# KiCad board SevenSegment.kicad_pcb (continued)
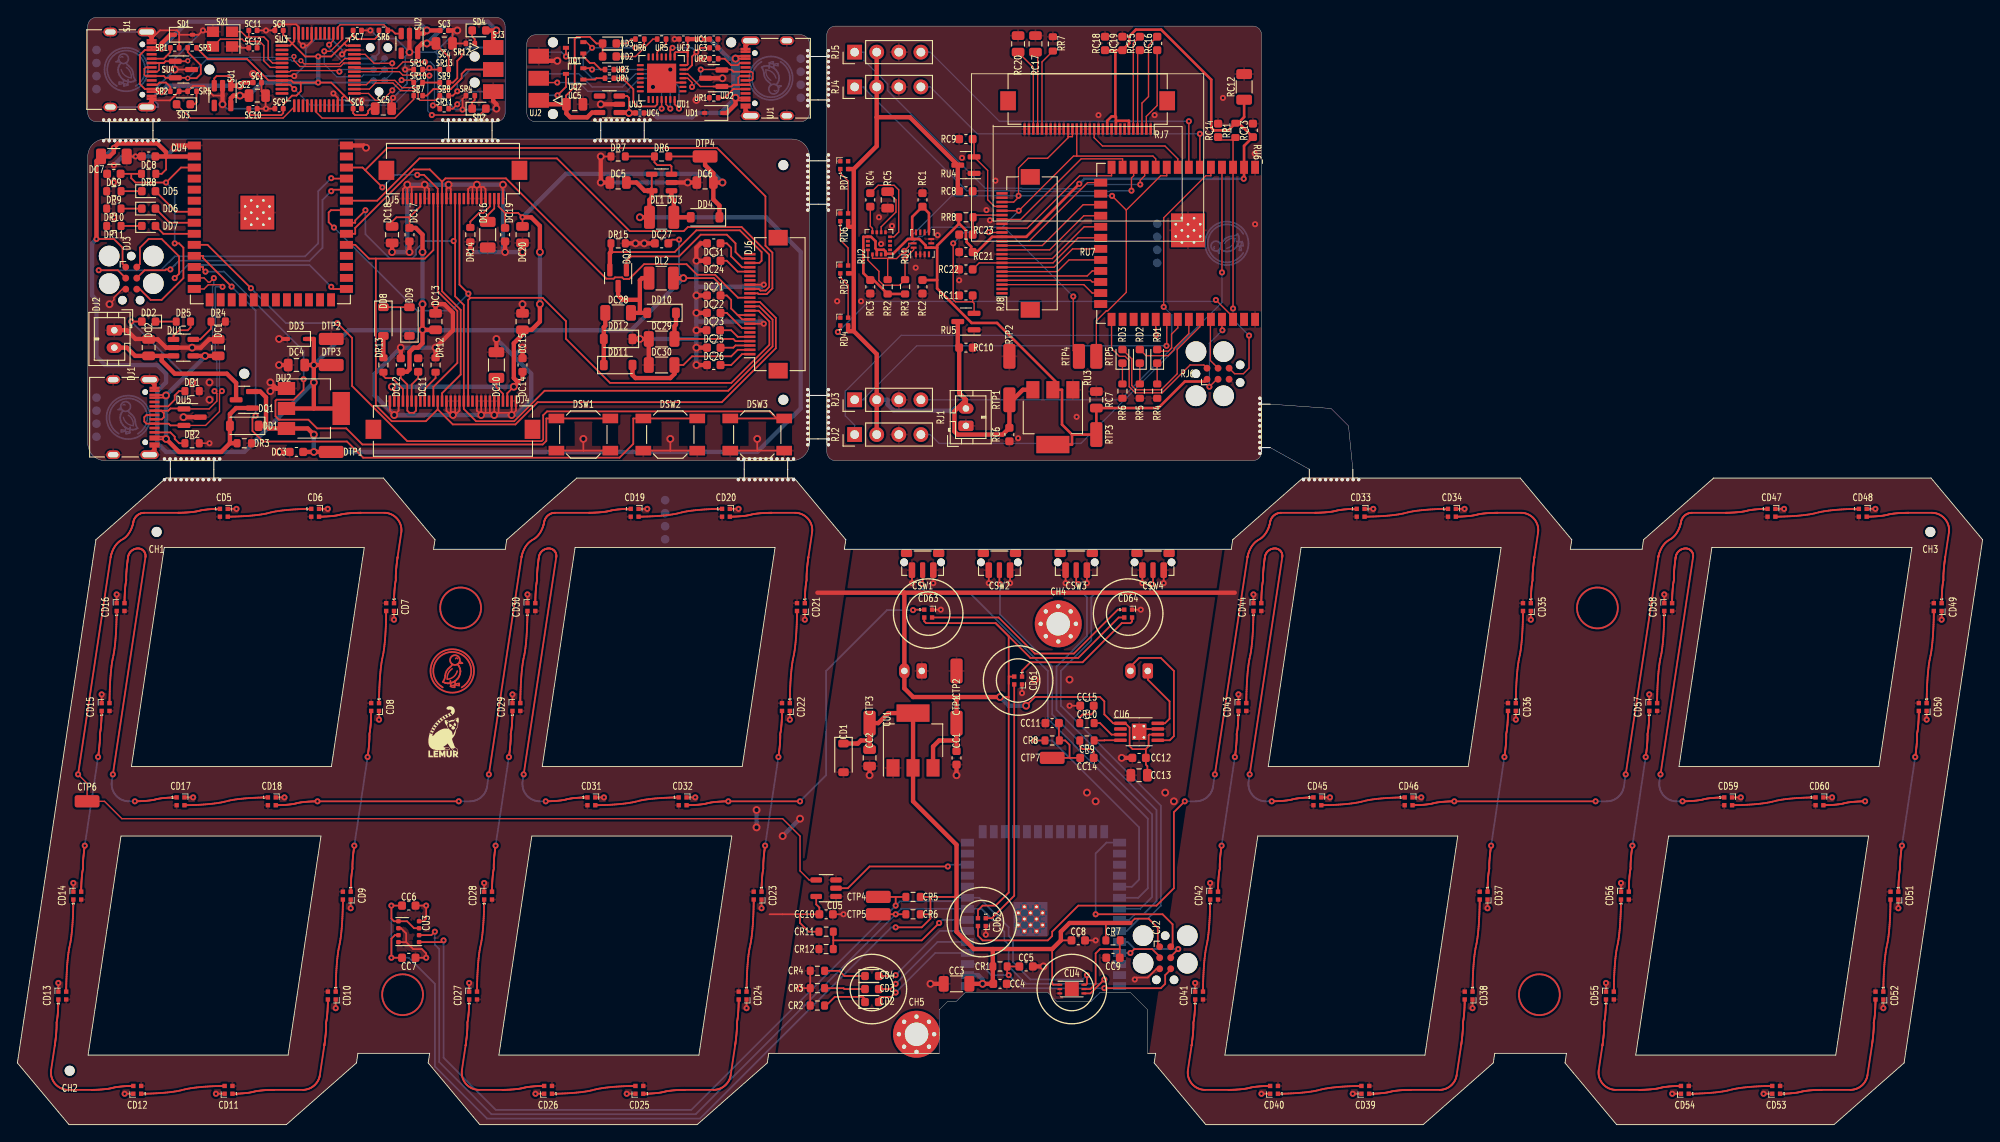
[diagram p0: board, top side]
## Routing (per net, layer and track width the routed paths; a pad name or vN(x,y) marks a point on that pad's centre or on a via; arc(x,y) is an arc through that point) (continued)
center.led[0].dout: length 28.7
  Front w0.2: CD62.1 112.06,23.75 114.65,26.34 CD61.3
charge_led.res.a: length 2.4
  Front w0.2: DR5.1 DD2.1
charge_led.signal: length 3.4
  Front w0.2: DU1.1 17.96,90.76 18.59,91.4 19.59,91.4 19.92,91.73 DR5.2
charger.prog_res.a: length 3.4
  Front w0.2: DR4.1 22.27,91.58 21.05,90.35 DU1.5
compass.c1.pos: length 5.8
  Front w0.15: RC5.1 101.05,106.4 101.05,105 99.34,103.3 RU2.10
compass.set_cap.neg: length 3.1
  Front w0.15: RC4.2 98.09,103.38 98.34,103.13 RU2.12
compass.set_cap.pos: length 9.9
  Front w0.15: RU2.8 100.82,102.15 101.36,102.69 101.36,107.56 100.84,108.08 99,108.08 RC4.1
digit[0].dout: length 67.1
  Front w0.2: 29.84,36.75 29.94,36.75 30.01,36.75 30.08,36.76 30.16,36.76 30.24,36.76 30.33,36.76 30.42,36.77 30.51,36.77 30.61,36.78 30.71,36.78 30.81,36.79 31.02,36.81 31.13,36.82 31.24,36.83 31.34,36.84 31.45,36.85 31.55,36.87 31.65,36.88 31.75,36.9 31.85,36.91 31.94,36.93 32.03,36.95 32.2,37 32.29,37.02 32.38,37.04 32.48,37.05 32.58,37.07 32.68,37.09 32.78,37.1 32.89,37.11 32.99,37.12 33.21,37.14 33.42,37.16 33.52,37.17 33.62,37.17 33.72,37.18 33.81,37.18 33.91,37.19 33.99,37.19 34.07,37.19 34.15,37.19 34.22,37.2 34.34,37.2 34.39,37.2 34.44,37.2 34.47,37.2 v3(34.52,37.2) v3(50.77,37.2) ; 70.42,70.85 70.32,70.85 70.25,70.85 70.18,70.84 70.1,70.84 70.02,70.84 69.94,70.84 69.84,70.83 69.75,70.83 69.65,70.82 69.55,70.82 69.45,70.81 69.24,70.79 69.13,70.78 69.02,70.77 68.92,70.76 68.81,70.75 68.71,70.73 68.61,70.72 68.51,70.7 68.41,70.69 68.32,70.67 68.23,70.65 68.06,70.6 67.97,70.58 67.88,70.56 67.78,70.55 67.68,70.53 67.58,70.52 67.48,70.5 67.37,70.49 67.27,70.48 67.05,70.46 66.84,70.44 66.74,70.43 66.64,70.43 66.54,70.42 66.45,70.42 66.36,70.41 66.27,70.41 66.19,70.41 66.11,70.41 66.04,70.4 65.92,70.4 65.87,70.4 65.82,70.4 65.79,70.4 61.86,70.4 61.79,70.4 61.73,70.39 61.67,70.39 61.61,70.38 61.55,70.36 61.49,70.35 61.43,70.33 61.37,70.31 61.32,70.28 61.26,70.26 61.21,70.23 61.16,70.2 61.11,70.16 61.06,70.12 61.01,70.09 60.97,70.05 60.93,70.01 60.89,69.96 60.85,69.91 60.81,69.87 60.78,69.82 60.75,69.77 60.72,69.71 60.69,69.66 60.66,69.6 60.64,69.54 60.62,69.48 60.61,69.42 60.59,69.36 60.58,69.3 60.57,69.26 60.57,69.23 60.56,69.19 60.55,69.15 60.54,69.1 60.52,69.04 60.5,68.98 60.48,68.91 60.46,68.84 60.44,68.76 60.41,68.69 60.37,68.6 60.34,68.52 60.3,68.43 60.25,68.34 60.21,68.26 60.16,68.17 60.1,68.08 60.04,67.99 59.98,67.9 59.91,67.82 59.83,67.73 59.75,67.65 59.67,67.57 59.58,67.5 59.49,67.43 59.39,67.36 59.17,67.24 59.07,67.17 58.98,67.1 58.89,67.03 58.81,66.95 58.73,66.87 58.65,66.78 58.58,66.7 58.52,66.61 58.46,66.52 58.4,66.43 58.35,66.34 58.3,66.26 58.26,66.17 58.22,66.08 58.19,66 58.15,65.92 58.12,65.84 58.1,65.76 58.08,65.69 58.05,65.62 58.04,65.56 58.02,65.5 58.01,65.45 58,65.41 57.99,65.37 57.99,65.34 57.98,65.3 v3(54.23,40.3)
  Back w0.2: v3(50.77,37.2) 52.04,37.2 52.14,37.2 52.24,37.21 52.33,37.22 52.43,37.24 52.52,37.26 52.61,37.28 52.7,37.31 52.79,37.35 52.88,37.38 52.96,37.42 53.05,37.47 53.12,37.52 53.2,37.57 53.28,37.62 53.35,37.69 53.42,37.75 53.48,37.81 53.55,37.88 53.61,37.95 53.66,38.03 53.72,38.1 53.77,38.18 53.81,38.27 53.85,38.35 53.89,38.44 53.93,38.53 53.96,38.62 53.98,38.71 54,38.81 54.02,38.9 v3(54.23,40.3)
digit[0].led[0].dout: length 9.5
  Front w0.2: 24.28,69.95 24.35,69.95 24.44,69.95 24.54,69.95 24.65,69.96 24.78,69.96 24.92,69.96 25.08,69.97 25.24,69.97 25.41,69.98 25.6,69.99 25.79,70 25.98,70.01 26.19,70.02 26.39,70.03 26.6,70.05 26.81,70.06 27.03,70.08 27.24,70.1 27.45,70.13 27.66,70.15 27.87,70.18 28.07,70.21 28.27,70.24 28.46,70.28 28.65,70.32 28.83,70.36 29.16,70.44 29.34,70.48 29.53,70.52 29.72,70.56 29.92,70.59 30.12,70.62 30.33,70.65 30.54,70.67 30.75,70.7 30.97,70.72 31.18,70.74 31.39,70.75 31.6,70.77 31.8,70.78 32.01,70.79 32.2,70.8 32.39,70.81 32.58,70.82 32.75,70.83 32.91,70.83 33.07,70.84 33.21,70.84 33.34,70.84 33.45,70.85 33.55,70.85 33.64,70.85 33.7,70.85
digit[0].led[1].dout: length 18.9
  Front w0.2: 34.82,69.95 34.92,69.95 34.99,69.95 35.06,69.96 35.14,69.96 35.22,69.96 35.3,69.96 35.4,69.97 35.49,69.97 35.59,69.98 35.69,69.98 35.79,69.99 36,70.01 36.11,70.02 36.22,70.03 36.32,70.04 36.43,70.05 36.53,70.07 36.63,70.08 36.73,70.1 36.83,70.11 36.92,70.13 37.01,70.15 37.18,70.2 37.27,70.22 37.36,70.24 37.46,70.25 37.56,70.27 37.66,70.29 37.76,70.3 37.87,70.31 37.97,70.32 38.19,70.34 38.4,70.36 38.5,70.37 38.6,70.37 38.7,70.38 38.79,70.38 38.89,70.39 38.97,70.39 39.05,70.39 39.13,70.39 39.2,70.4 39.32,70.4 39.37,70.4 39.42,70.4 39.45,70.4 42.17,70.4 42.29,70.4 42.41,70.39 42.53,70.37 42.64,70.34 42.76,70.31 42.86,70.28 42.97,70.23 43.07,70.19 43.17,70.13 43.27,70.07 43.36,70.01 43.45,69.94 43.53,69.87 43.61,69.79 43.69,69.71 43.76,69.62 43.82,69.53 43.89,69.43 43.94,69.34 43.99,69.24 44.03,69.13 44.07,69.03 44.11,68.92 44.13,68.81 44.15,68.69 44.16,68.58 44.17,68.46 44.17,68.34 44.16,68.22 44.15,68.1 43.73,65.3 43.72,65.25 43.72,65.21 43.71,65.17 43.7,65.11 43.69,65.05 43.69,64.98 43.67,64.9 43.66,64.82 43.65,64.73 43.64,64.63 43.63,64.53 43.62,64.43 43.61,64.32 43.59,64.21 43.58,64.09 43.57,63.98 43.56,63.86 43.55,63.63 43.54,63.51 43.53,63.39 43.53,63.28 43.52,63.17 43.52,63.06 43.52,62.95 43.52,62.84 43.52,62.75 43.52,62.65 43.5,62.56 43.48,62.46 43.47,62.36 43.45,62.25 43.44,62.14 43.42,62.03 43.41,61.91 43.4,61.8 43.39,61.68 43.37,61.45 43.36,61.33 43.36,61.21 43.34,60.99 43.34,60.88 43.33,60.77 43.33,60.67 43.33,60.58 43.33,60.49 43.32,60.4 43.32,60.32 43.32,60.19 43.32,60.13
digit[0].led[2].dout: length 10.4
  Front w0.2: 41.59,48.6 41.59,48.67 41.59,48.77 41.6,48.88 41.6,49 41.6,49.15 41.6,49.3 41.61,49.47 41.61,49.66 41.62,49.85 41.63,50.05 41.63,50.26 41.64,50.47 41.66,50.7 41.67,50.93 41.68,51.16 41.7,51.39 41.72,51.62 41.73,51.86 41.75,52.09 41.78,52.33 41.8,52.56 41.83,52.78 41.86,53 41.89,53.21 41.93,53.42 41.97,53.61 42.05,53.99 42.08,54.18 42.12,54.39 42.15,54.6 42.18,54.82 42.21,55.04 42.23,55.27 42.25,55.5 42.28,55.74 42.3,55.97 42.31,56.21 42.33,56.44 42.34,56.68 42.36,56.9 42.37,57.13 42.38,57.34 42.38,57.55 42.39,57.75 42.4,57.94 42.4,58.13 42.41,58.3 42.41,58.45 42.41,58.59 42.41,58.72 42.42,58.83 42.42,58.93 42.42,59
digit[0].led[3].dout: length 20.7
  Front w0.2: 40.69,47.47 40.69,47.35 40.69,47.28 40.69,47.2 40.69,47.11 40.68,47.02 40.68,46.93 40.68,46.83 40.67,46.72 40.67,46.61 40.66,46.39 40.65,46.27 40.64,46.16 40.62,45.92 40.61,45.8 40.6,45.69 40.59,45.57 40.57,45.46 40.56,45.35 40.54,45.24 40.53,45.14 40.51,45.04 40.49,44.95 40.49,44.86 40.49,44.76 40.49,44.65 40.49,44.55 40.49,44.43 40.48,44.32 40.48,44.21 40.47,44.09 40.47,43.97 40.45,43.74 40.44,43.62 40.43,43.5 40.41,43.39 40.4,43.28 40.39,43.17 40.38,43.07 40.37,42.97 40.36,42.87 40.34,42.78 40.33,42.7 40.33,42.62 40.31,42.55 40.31,42.49 40.3,42.43 40.29,42.39 40.29,42.35 v3(40.28,42.3) ; 38.34,26.93 38.34,27.05 38.34,27.12 38.34,27.2 38.34,27.29 38.35,27.38 38.35,27.47 38.35,27.57 38.36,27.68 38.36,27.79 38.38,28.01 38.38,28.13 38.39,28.25 38.41,28.48 38.42,28.6 38.43,28.71 38.44,28.83 38.46,28.94 38.47,29.05 38.49,29.16 38.5,29.26 38.52,29.36 38.54,29.45 38.54,29.55 38.54,29.64 38.54,29.75 38.54,29.86 38.54,29.97 38.55,30.08 38.55,30.19 38.56,30.31 38.56,30.43 38.58,30.66 38.59,30.78 38.6,30.9 38.61,31.01 38.63,31.12 38.64,31.23 38.65,31.33 38.66,31.43 38.67,31.53 38.69,31.62 38.69,31.7 38.7,31.78 38.72,31.85 38.72,31.91 38.73,31.97 38.74,32.01 38.74,32.05 38.75,32.08 v3(38.75,32.1)
  Back w0.2: v3(40.28,42.3) v3(38.75,32.1)
digit[0].led[4].dout: length 10.4
  Front w0.2: 37.44,25.8 37.44,25.73 37.44,25.63 37.43,25.52 37.43,25.4 37.43,25.25 37.43,25.1 37.42,24.93 37.42,24.75 37.41,24.55 37.4,24.35 37.4,24.14 37.39,23.93 37.38,23.7 37.36,23.47 37.35,23.24 37.33,23.01 37.31,22.78 37.3,22.54 37.28,22.31 37.25,22.07 37.23,21.84 37.2,21.62 37.17,21.4 37.14,21.19 37.1,20.98 37.06,20.79 36.98,20.41 36.95,20.22 36.91,20.01 36.88,19.8 36.85,19.58 36.82,19.36 36.8,19.13 36.78,18.9 36.75,18.66 36.73,18.43 36.72,18.19 36.7,17.96 36.69,17.72 36.67,17.5 36.66,17.27 36.65,17.06 36.65,16.85 36.64,16.65 36.63,16.46 36.63,16.27 36.62,16.1 36.62,15.95 36.62,15.81 36.62,15.68 36.61,15.57 36.61,15.47 36.61,15.4
digit[0].led[5].dout: length 19.5
  Front w0.2: 35.71,14.27 35.71,14.15 35.71,14.08 35.71,14 35.7,13.91 35.7,13.82 35.7,13.73 35.7,13.63 35.69,13.52 35.69,13.41 35.67,13.19 35.67,13.07 35.66,12.96 35.64,12.72 35.63,12.6 35.62,12.49 35.61,12.37 35.59,12.26 35.58,12.15 35.56,12.04 35.55,11.94 35.53,11.84 35.51,11.75 35.51,11.66 35.51,11.56 35.51,11.45 35.51,11.34 35.51,11.23 35.5,11.12 35.5,11.01 35.49,10.89 35.48,10.77 35.47,10.54 35.46,10.42 35.45,10.31 35.44,10.19 35.42,10.08 35.41,9.97 35.4,9.87 35.39,9.77 35.38,9.67 35.36,9.58 35.36,9.5 35.34,9.42 35.33,9.35 35.33,9.29 35.32,9.23 35.31,9.19 35.31,9.15 35.3,9.12 35.3,9.1 34.79,5.7 34.77,5.61 34.75,5.51 34.73,5.42 34.7,5.33 34.66,5.24 34.62,5.15 34.58,5.07 34.53,4.98 34.49,4.9 34.43,4.83 34.38,4.75 34.32,4.68 34.25,4.61 34.19,4.55 34.12,4.49 34.05,4.43 33.97,4.37 33.89,4.32 33.81,4.27 33.73,4.22 33.65,4.18 33.56,4.15 33.47,4.11 33.38,4.08 33.29,4.06 33.2,4.04 33.11,4.02 33.01,4.01 32.91,4 32.81,4 29.49,4 29.46,4 29.41,4 29.31,4 29.24,4 29.17,3.99 29.09,3.99 29.01,3.99 28.92,3.99 28.83,3.98 28.74,3.98 28.64,3.97 28.54,3.97 28.44,3.96 28.23,3.94 28.12,3.93 28.01,3.92 27.91,3.91 27.8,3.9 27.7,3.89 27.6,3.87 27.5,3.85 27.4,3.84 27.31,3.82 27.22,3.8 27.05,3.75 26.96,3.73 26.87,3.71 26.77,3.7 26.67,3.68 26.57,3.66 26.47,3.65 26.36,3.64 26.26,3.63 26.15,3.62 26.04,3.61 25.83,3.59 25.73,3.58 25.63,3.58 25.53,3.57 25.44,3.57 25.34,3.56 25.26,3.56 25.18,3.56 25.1,3.56 25.03,3.55 24.91,3.55 24.86,3.55
digit[0].led[6].dout: length 9.5
  Front w0.2: 23.75,4.45 23.68,4.45 23.59,4.45 23.49,4.45 23.38,4.44 23.25,4.44 23.11,4.44 22.95,4.43 22.79,4.43 22.61,4.42 22.43,4.41 22.24,4.4 22.05,4.39 21.84,4.38 21.64,4.37 21.43,4.35 21.22,4.34 21,4.32 20.79,4.3 20.58,4.27 20.37,4.25 20.16,4.22 19.96,4.19 19.76,4.16 19.57,4.12 19.38,4.08 19.2,4.04 18.87,3.96 18.69,3.92 18.5,3.88 18.31,3.84 18.11,3.81 17.91,3.78 17.7,3.75 17.49,3.73 17.28,3.7 17.06,3.68 16.85,3.66 16.64,3.65 16.43,3.63 16.22,3.62 16.02,3.61 15.83,3.6 15.64,3.59 15.45,3.58 15.28,3.57 15.12,3.57 14.96,3.56 14.82,3.56 14.69,3.56 14.58,3.55 14.48,3.55 14.39,3.55 14.33,3.55
digit[0].led[7].dout: length 18.9
  Front w0.2: 13.21,4.45 13.11,4.45 13.04,4.45 12.97,4.44 12.89,4.44 12.81,4.44 12.72,4.44 12.63,4.43 12.54,4.43 12.44,4.42 12.34,4.42 12.24,4.41 12.03,4.39 11.92,4.38 11.81,4.37 11.71,4.36 11.6,4.35 11.5,4.34 11.4,4.32 11.3,4.3 11.2,4.29 11.11,4.27 11.02,4.25 10.85,4.2 10.76,4.18 10.67,4.16 10.57,4.15 10.47,4.13 10.37,4.12 10.27,4.1 10.16,4.09 10.06,4.08 9.84,4.06 9.63,4.04 9.53,4.03 9.43,4.03 9.33,4.02 9.24,4.02 9.14,4.01 9.06,4.01 8.98,4.01 8.9,4.01 8.83,4 8.71,4 8.66,4 8.61,4 8.58,4 5.86,4 5.74,4 5.62,4.01 5.5,4.03 5.39,4.06 5.27,4.09 5.16,4.12 5.06,4.16 4.96,4.21 4.86,4.27 4.76,4.33 4.67,4.39 4.58,4.46 4.5,4.53 4.42,4.61 4.34,4.69 4.27,4.78 4.21,4.87 4.15,4.97 4.09,5.06 4.04,5.16 4,5.27 3.96,5.37 3.93,5.48 3.9,5.59 3.88,5.71 3.87,5.82 3.86,5.94 3.86,6.06 3.87,6.18 3.88,6.3 4.3,9.1 4.31,9.15 4.31,9.19 4.32,9.23 4.33,9.29 4.34,9.35 4.34,9.42 4.35,9.5 4.37,9.58 4.38,9.67 4.39,9.77 4.4,9.87 4.41,9.97 4.42,10.08 4.44,10.19 4.45,10.31 4.46,10.42 4.47,10.54 4.48,10.77 4.49,10.89 4.5,11.01 4.5,11.12 4.51,11.23 4.51,11.34 4.51,11.45 4.51,11.56 4.51,11.66 4.51,11.75 4.53,11.84 4.54,11.94 4.56,12.04 4.58,12.15 4.59,12.26 4.61,12.37 4.62,12.49 4.63,12.6 4.64,12.72 4.66,12.96 4.67,13.07 4.68,13.19 4.69,13.41 4.69,13.52 4.7,13.63 4.7,13.73 4.7,13.82 4.71,13.91 4.71,14 4.71,14.08 4.71,14.21 4.71,14.27
digit[0].led[8].dout: length 10.4
  Front w0.2: 5.61,15.4 5.61,15.47 5.61,15.57 5.62,15.68 5.62,15.81 5.62,15.95 5.62,16.1 5.63,16.27 5.63,16.46 5.64,16.65 5.65,16.85 5.65,17.06 5.66,17.27 5.68,17.5 5.69,17.72 5.7,17.96 5.72,18.19 5.73,18.43 5.75,18.66 5.78,18.9 5.8,19.13 5.82,19.36 5.85,19.58 5.88,19.8 5.91,20.01 5.95,20.22 5.98,20.41 6.06,20.79 6.1,20.98 6.14,21.19 6.17,21.4 6.2,21.62 6.23,21.84 6.25,22.07 6.28,22.31 6.3,22.54 6.31,22.78 6.33,23.01 6.35,23.24 6.36,23.47 6.38,23.7 6.39,23.93 6.4,24.14 6.4,24.35 6.41,24.55 6.42,24.75 6.42,24.93 6.43,25.1 6.43,25.25 6.43,25.4 6.43,25.52 6.44,25.63 6.44,25.73 6.44,25.8
digit[0].led[9].dout: length 20.7
  Front w0.2: 9.69,47.47 9.69,47.35 9.69,47.28 9.69,47.2 9.69,47.11 9.68,47.02 9.68,46.93 9.68,46.83 9.67,46.72 9.67,46.61 9.66,46.39 9.65,46.27 9.64,46.16 9.62,45.92 9.61,45.8 9.6,45.69 9.59,45.57 9.57,45.46 9.56,45.35 9.54,45.24 9.53,45.14 9.51,45.04 9.49,44.95 9.49,44.86 9.49,44.76 9.49,44.65 9.49,44.55 9.49,44.43 9.48,44.32 9.48,44.21 9.47,44.09 9.47,43.97 9.45,43.74 9.44,43.62 9.43,43.5 9.41,43.39 9.4,43.28 9.39,43.17 9.38,43.07 9.37,42.97 9.36,42.87 9.34,42.78 9.33,42.7 9.33,42.62 9.31,42.55 9.31,42.49 9.3,42.43 9.29,42.39 9.29,42.35 v3(9.28,42.3) ; 7.34,26.93 7.34,27.05 7.34,27.12 7.34,27.2 7.34,27.29 7.35,27.38 7.35,27.47 7.35,27.57 7.36,27.68 7.36,27.79 7.38,28.01 7.38,28.13 7.39,28.25 7.41,28.48 7.42,28.6 7.43,28.71 7.44,28.83 7.46,28.94 7.47,29.05 7.49,29.16 7.5,29.26 7.52,29.36 7.54,29.45 7.54,29.55 7.54,29.64 7.54,29.75 7.54,29.86 7.54,29.97 7.54,30.08 7.55,30.19 7.56,30.31 7.56,30.43 7.58,30.66 7.59,30.78 7.6,30.9 7.62,31.01 7.63,31.12 7.64,31.23 7.65,31.33 7.66,31.43 7.67,31.53 7.69,31.62 7.69,31.7 7.71,31.78 7.72,31.85 7.72,31.91 7.73,31.97 7.74,32.01 7.74,32.05 v3(7.75,32.1)
  Back w0.2: v3(7.75,32.1) v3(9.28,42.3)
digit[0].led[10].dout: length 10.4
  Front w0.2: 11.42,59 11.42,58.93 11.42,58.83 11.41,58.72 11.41,58.59 11.41,58.45 11.41,58.3 11.4,58.13 11.4,57.94 11.39,57.75 11.38,57.55 11.38,57.34 11.37,57.13 11.36,56.9 11.34,56.68 11.33,56.44 11.31,56.21 11.3,55.97 11.28,55.74 11.25,55.5 11.23,55.27 11.21,55.04 11.18,54.82 11.15,54.6 11.12,54.39 11.08,54.18 11.05,53.99 10.97,53.61 10.93,53.42 10.89,53.21 10.86,53 10.83,52.78 10.8,52.56 10.78,52.33 10.75,52.09 10.73,51.86 10.72,51.62 10.7,51.39 10.68,51.16 10.67,50.93 10.66,50.7 10.64,50.47 10.63,50.26 10.63,50.05 10.62,49.85 10.61,49.66 10.61,49.47 10.6,49.3 10.6,49.15 10.6,49 10.6,48.88 10.59,48.77 10.59,48.67 10.59,48.6
digit[0].led[11].dout: length 43.3
  Front w0.2: v3(13.52,37.2) 13.56,37.2 13.59,37.2 13.64,37.2 13.74,37.2 13.81,37.2 13.88,37.21 13.96,37.21 14.04,37.21 14.12,37.21 14.22,37.22 14.31,37.22 14.41,37.23 14.51,37.23 14.61,37.24 14.82,37.26 15.04,37.28 15.14,37.29 15.25,37.3 15.35,37.31 15.45,37.33 15.55,37.35 15.65,37.36 15.74,37.38 15.83,37.4 16,37.45 16.09,37.47 16.18,37.49 16.28,37.5 16.38,37.52 16.48,37.53 16.58,37.55 16.69,37.56 16.79,37.57 16.9,37.58 17.01,37.59 17.22,37.61 17.32,37.62 17.42,37.62 17.52,37.63 17.61,37.63 17.7,37.64 17.79,37.64 17.87,37.64 17.95,37.64 18.02,37.65 18.14,37.65 18.19,37.65 ; v3(10.98,40.3) 14.73,65.3 14.73,65.31 14.74,65.36 14.74,65.41 14.74,65.47 14.74,65.52 14.73,65.57 14.72,65.61 14.71,65.66 14.7,65.71 14.68,65.75 14.66,65.8 14.64,65.84 14.62,65.88 14.59,65.93 14.56,65.96 14.53,66 14.5,66.04 14.47,66.07 14.43,66.1 14.39,66.13 14.35,66.16 14.31,66.19 14.27,66.21 14.22,66.23 14.18,66.25 14.13,66.26 14.08,66.28 14.03,66.29 13.98,66.29 13.93,66.3 13.88,66.3 13.82,66.3 13.77,66.29 13.71,66.29 13.66,66.28 13.6,66.27 13.55,66.25 13.5,66.23 13.44,66.22 13.39,66.19 13.35,66.17 13.3,66.14 13.25,66.12 13.21,66.09 13.16,66.05 13.12,66.02 13.08,65.98 13.04,65.95 13.01,65.91 12.97,65.86 12.94,65.82 12.91,65.78 12.88,65.73 12.85,65.68 12.83,65.63 12.81,65.58 12.79,65.53 12.77,65.48 12.75,65.42 12.74,65.37 12.73,65.29 12.73,65.28 12.72,65.25 12.72,65.21 12.71,65.17 12.7,65.11 12.69,65.05 12.69,64.98 12.67,64.9 12.66,64.82 12.65,64.73 12.64,64.63 12.63,64.53 12.62,64.43 12.61,64.32 12.59,64.21 12.58,64.09 12.57,63.98 12.56,63.86 12.55,63.63 12.54,63.51 12.53,63.39 12.53,63.28 12.52,63.17 12.52,63.06 12.52,62.95 12.52,62.84 12.52,62.75 12.52,62.65 12.5,62.56 12.48,62.46 12.47,62.36 12.45,62.25 12.44,62.14 12.42,62.03 12.41,61.91 12.4,61.8 12.39,61.68 12.37,61.45 12.36,61.33 12.36,61.21 12.34,60.99 12.34,60.88 12.33,60.77 12.33,60.67 12.33,60.58 12.33,60.49 12.32,60.4 12.32,60.32 12.32,60.19 12.32,60.13
  Back w0.2: v3(10.98,40.3) 10.86,39.5 10.84,39.38 10.84,39.26 10.84,39.14 10.84,39.02 10.86,38.91 10.88,38.79 10.91,38.68 10.94,38.57 10.98,38.47 11.02,38.36 11.07,38.26 11.12,38.17 11.19,38.07 11.25,37.98 11.32,37.9 11.4,37.81 11.48,37.73 11.56,37.66 11.65,37.59 11.74,37.53 11.84,37.47 11.94,37.41 12.04,37.37 12.14,37.32 12.25,37.29 12.37,37.26 12.48,37.23 12.6,37.21 12.72,37.2 12.84,37.2 v3(13.52,37.2)
digit[0].led[12].dout: length 9.5
  Front w0.2: 28.72,37.65 28.66,37.65 28.57,37.65 28.47,37.65 28.36,37.64 28.23,37.64 28.09,37.64 27.93,37.63 27.77,37.63 27.59,37.62 27.41,37.61 27.22,37.6 27.03,37.59 26.83,37.58 26.62,37.57 26.41,37.55 26.2,37.54 25.98,37.52 25.77,37.5 25.56,37.47 25.35,37.45 25.14,37.42 24.94,37.39 24.74,37.36 24.55,37.32 24.36,37.28 24.18,37.24 23.85,37.16 23.67,37.12 23.48,37.08 23.29,37.04 23.09,37.01 22.89,36.98 22.68,36.95 22.47,36.93 22.26,36.9 22.05,36.88 21.83,36.86 21.62,36.85 21.41,36.83 21.2,36.82 21,36.81 20.81,36.8 20.62,36.79 20.44,36.78 20.26,36.77 20.1,36.77 19.94,36.76 19.8,36.76 19.67,36.76 19.56,36.75 19.46,36.75 19.37,36.75 19.3,36.75
digit[1].dout: length 43.4
  Front w0.2: 77.09,36.75 77.19,36.75 77.26,36.75 77.33,36.76 77.41,36.76 77.49,36.76 77.57,36.76 77.67,36.77 77.76,36.77 77.86,36.78 77.96,36.78 78.06,36.79 78.27,36.81 78.38,36.82 78.49,36.83 78.59,36.84 78.7,36.85 78.8,36.87 78.9,36.88 79,36.9 79.1,36.91 79.19,36.93 79.28,36.95 79.45,37 79.54,37.02 79.63,37.04 79.73,37.05 79.83,37.07 79.93,37.09 80.03,37.1 80.14,37.11 80.24,37.12 80.35,37.13 80.46,37.14 80.67,37.16 80.77,37.17 80.87,37.17 80.97,37.18 81.06,37.18 81.16,37.19 81.24,37.19 81.32,37.19 81.4,37.19 81.47,37.2 81.59,37.2 81.64,37.2 81.69,37.2 81.72,37.2 v3(81.77,37.2) v3(90.02,37.2) ; v3(103.02,59.2) 103.06,59.25 CD63.1
  Back w0.2: v3(103.02,59.2) 100.02,59.2 93.02,52.2 93.02,40.2 v3(90.02,37.2)
digit[1].led[0].dout: length 9.5
  Front w0.2: 71.53,69.95 71.6,69.95 71.69,69.95 71.79,69.95 71.9,69.96 72.03,69.96 72.17,69.96 72.33,69.97 72.49,69.97 72.66,69.98 72.85,69.99 73.04,70 73.23,70.01 73.44,70.02 73.64,70.03 73.85,70.05 74.06,70.06 74.28,70.08 74.49,70.1 74.7,70.13 74.91,70.15 75.12,70.18 75.32,70.21 75.52,70.24 75.71,70.28 75.9,70.32 76.08,70.36 76.41,70.44 76.59,70.48 76.78,70.52 76.97,70.56 77.17,70.59 77.37,70.62 77.58,70.65 77.79,70.67 78,70.7 78.22,70.72 78.43,70.74 78.64,70.75 78.85,70.77 79.06,70.78 79.26,70.79 79.45,70.8 79.64,70.81 79.82,70.82 80,70.83 80.16,70.83 80.32,70.84 80.46,70.84 80.59,70.84 80.7,70.85 80.8,70.85 80.89,70.85 80.95,70.85
digit[1].led[1].dout: length 18.9
  Front w0.2: 90.57,60.13 90.57,60.25 90.57,60.32 90.57,60.4 90.57,60.49 90.58,60.58 90.58,60.67 90.58,60.77 90.59,60.88 90.59,60.99 90.6,61.21 90.61,61.33 90.62,61.45 90.64,61.68 90.65,61.8 90.66,61.91 90.67,62.03 90.69,62.14 90.7,62.25 90.72,62.36 90.73,62.46 90.75,62.56 90.77,62.65 90.77,62.75 90.77,62.84 90.77,62.95 90.77,63.06 90.77,63.17 90.78,63.28 90.78,63.39 90.79,63.51 90.8,63.63 90.81,63.86 90.82,63.98 90.83,64.09 90.84,64.21 90.86,64.32 90.87,64.43 90.88,64.53 90.89,64.63 90.9,64.73 90.91,64.82 90.92,64.9 90.94,64.98 90.94,65.05 90.95,65.11 90.96,65.17 90.97,65.21 90.97,65.25 90.98,65.3 91.4,68.1 91.41,68.22 91.42,68.34 91.42,68.46 91.41,68.58 91.4,68.69 91.38,68.81 91.35,68.92 91.32,69.03 91.28,69.13 91.24,69.24 91.19,69.34 91.13,69.43 91.07,69.53 91.01,69.62 90.94,69.71 90.86,69.79 90.78,69.87 90.7,69.94 90.61,70.01 90.52,70.07 90.42,70.13 90.32,70.19 90.22,70.23 90.12,70.28 90.01,70.31 89.89,70.34 89.78,70.37 89.66,70.39 89.54,70.4 89.42,70.4 86.7,70.4 86.67,70.4 86.62,70.4 86.52,70.4 86.45,70.4 86.38,70.39 86.3,70.39 86.22,70.39 86.13,70.39 86.04,70.38 85.95,70.38 85.85,70.37 85.75,70.37 85.65,70.36 85.44,70.34 85.22,70.32 85.12,70.31 85.01,70.3 84.91,70.29 84.81,70.27 84.71,70.25 84.61,70.24 84.52,70.22 84.43,70.2 84.26,70.15 84.17,70.13 84.08,70.11 83.98,70.1 83.88,70.08 83.78,70.07 83.68,70.05 83.57,70.04 83.47,70.03 83.36,70.02 83.25,70.01 83.04,69.99 82.94,69.98 82.84,69.98 82.74,69.97 82.65,69.97 82.56,69.96 82.47,69.96 82.39,69.96 82.31,69.96 82.24,69.95 82.12,69.95 82.07,69.95
digit[1].led[2].dout: length 10.4
  Front w0.2: 89.67,59 89.67,58.93 89.67,58.83 89.66,58.72 89.66,58.59 89.66,58.45 89.66,58.3 89.65,58.13 89.65,57.94 89.64,57.75 89.63,57.55 89.63,57.34 89.62,57.13 89.6,56.9 89.59,56.68 89.58,56.44 89.56,56.21 89.55,55.97 89.53,55.74 89.5,55.5 89.48,55.27 89.46,55.04 89.43,54.82 89.4,54.6 89.37,54.39 89.33,54.18 89.3,53.99 89.22,53.61 89.18,53.42 89.14,53.21 89.11,53 89.08,52.78 89.05,52.56 89.03,52.33 89,52.09 88.98,51.86 88.97,51.62 88.95,51.39 88.93,51.16 88.92,50.93 88.91,50.7 88.89,50.47 88.88,50.26 88.88,50.05 88.87,49.85 88.86,49.66 88.86,49.47 88.85,49.3 88.85,49.15 88.85,49 88.85,48.88 88.84,48.77 88.84,48.67 88.84,48.6
digit[1].led[3].dout: length 20.7
  Front w0.2: v3(87.53,42.3) 87.54,42.35 87.54,42.39 87.55,42.43 87.56,42.49 87.56,42.55 87.57,42.62 87.59,42.7 87.59,42.78 87.61,42.87 87.62,42.97 87.63,43.07 87.64,43.17 87.65,43.28 87.66,43.39 87.68,43.5 87.69,43.62 87.7,43.74 87.72,43.97 87.72,44.09 87.73,44.21 87.73,44.32 87.74,44.43 87.74,44.55 87.74,44.65 87.74,44.76 87.74,44.86 87.74,44.95 87.76,45.04 87.78,45.14 87.79,45.24 87.81,45.35 87.82,45.46 87.84,45.57 87.85,45.69 87.86,45.8 87.87,45.92 87.89,46.16 87.9,46.27 87.91,46.39 87.92,46.61 87.92,46.72 87.93,46.83 87.93,46.93 87.93,47.02 87.94,47.11 87.94,47.2 87.94,47.28 87.94,47.41 87.94,47.47 ; 85.59,26.93 85.59,27.05 85.59,27.12 85.59,27.2 85.59,27.29 85.6,27.38 85.6,27.47 85.6,27.57 85.61,27.68 85.61,27.79 85.62,28.01 85.63,28.13 85.64,28.25 85.66,28.48 85.67,28.6 85.68,28.71 85.69,28.83 85.71,28.94 85.72,29.05 85.74,29.16 85.75,29.26 85.77,29.36 85.79,29.45 85.79,29.55 85.79,29.64 85.79,29.75 85.79,29.86 85.79,29.97 85.8,30.08 85.8,30.19 85.81,30.31 85.81,30.43 85.83,30.66 85.84,30.78 85.85,30.9 85.87,31.01 85.88,31.12 85.89,31.23 85.9,31.33 85.91,31.43 85.92,31.53 85.94,31.62 85.94,31.7 85.95,31.78 85.97,31.85 85.97,31.91 85.98,31.97 85.99,32.01 85.99,32.05 v3(86,32.1)
  Back w0.2: v3(87.53,42.3) v3(86,32.1)
digit[1].led[4].dout: length 10.4
  Front w0.2: 83.86,15.4 83.86,15.47 83.86,15.57 83.87,15.68 83.87,15.81 83.87,15.95 83.87,16.1 83.88,16.27 83.88,16.46 83.89,16.65 83.9,16.85 83.9,17.06 83.91,17.27 83.92,17.5 83.94,17.72 83.95,17.96 83.97,18.19 83.98,18.43 84,18.66 84.03,18.9 84.05,19.13 84.07,19.36 84.1,19.58 84.13,19.8 84.16,20.01 84.2,20.22 84.23,20.41 84.31,20.79 84.35,20.98 84.39,21.19 84.42,21.4 84.45,21.62 84.48,21.84 84.5,22.07 84.53,22.31 84.55,22.54 84.56,22.78 84.58,23.01 84.6,23.24 84.61,23.47 84.62,23.7 84.64,23.93 84.65,24.14 84.65,24.35 84.66,24.55 84.67,24.75 84.67,24.93 84.68,25.1 84.68,25.25 84.68,25.4 84.68,25.52 84.69,25.63 84.69,25.73 84.69,25.8
digit[1].led[5].dout: length 19.5
  Front w0.2: 72.11,3.55 72.21,3.55 72.28,3.55 72.35,3.56 72.43,3.56 72.51,3.56 72.59,3.56 72.69,3.57 72.78,3.57 72.88,3.58 72.98,3.58 73.08,3.59 73.29,3.61 73.4,3.62 73.51,3.63 73.61,3.64 73.72,3.65 73.82,3.66 73.92,3.68 74.02,3.7 74.12,3.71 74.21,3.73 74.3,3.75 74.47,3.8 74.56,3.82 74.65,3.84 74.75,3.85 74.85,3.87 74.95,3.89 75.05,3.9 75.16,3.91 75.26,3.92 75.37,3.93 75.48,3.94 75.69,3.96 75.79,3.97 75.89,3.97 75.99,3.98 76.08,3.98 76.17,3.99 76.26,3.99 76.34,3.99 76.42,3.99 76.49,4 76.61,4 76.66,4 76.71,4 76.74,4 80.06,4 80.16,4 80.26,4.01 80.35,4.02 80.45,4.04 80.54,4.06 80.63,4.08 80.72,4.11 80.81,4.15 80.9,4.18 80.98,4.22 81.06,4.27 81.14,4.32 81.22,4.37 81.3,4.43 81.37,4.49 81.44,4.55 81.5,4.61 81.57,4.68 81.63,4.75 81.68,4.83 81.74,4.9 81.78,4.98 81.83,5.07 81.87,5.15 81.91,5.24 81.95,5.33 81.98,5.42 82,5.51 82.02,5.61 82.04,5.7 82.55,9.1 82.56,9.15 82.56,9.19 82.57,9.23 82.58,9.29 82.59,9.35 82.59,9.42 82.6,9.5 82.62,9.58 82.63,9.67 82.64,9.77 82.65,9.87 82.66,9.97 82.67,10.08 82.69,10.19 82.7,10.31 82.71,10.42 82.72,10.54 82.73,10.77 82.74,10.89 82.75,11.01 82.75,11.12 82.76,11.23 82.76,11.34 82.76,11.45 82.76,11.56 82.76,11.66 82.76,11.75 82.78,11.84 82.8,11.94 82.81,12.04 82.83,12.15 82.84,12.26 82.86,12.37 82.87,12.49 82.88,12.6 82.89,12.72 82.91,12.96 82.92,13.07 82.92,13.19 82.94,13.41 82.94,13.52 82.95,13.63 82.95,13.73 82.95,13.82 82.95,13.91 82.96,14 82.96,14.08 82.96,14.21 82.96,14.27
digit[1].led[6].dout: length 9.5
  Front w0.2: 61.58,3.55 61.64,3.55 61.73,3.55 61.83,3.55 61.94,3.56 62.07,3.56 62.21,3.56 62.37,3.57 62.53,3.57 62.7,3.58 62.89,3.59 63.08,3.6 63.27,3.61 63.47,3.62 63.68,3.63 63.89,3.65 64.1,3.66 64.31,3.68 64.53,3.7 64.74,3.73 64.95,3.75 65.16,3.78 65.36,3.81 65.56,3.84 65.75,3.88 65.94,3.92 66.12,3.96 66.45,4.04 66.63,4.08 66.82,4.12 67.01,4.16 67.21,4.19 67.41,4.22 67.62,4.25 67.83,4.27 68.04,4.3 68.25,4.32 68.47,4.34 68.68,4.35 68.89,4.37 69.09,4.38 69.3,4.39 69.49,4.4 69.68,4.41 69.86,4.42 70.04,4.43 70.2,4.43 70.36,4.44 70.5,4.44 70.63,4.44 70.74,4.45 70.84,4.45 70.93,4.45 71,4.45
digit[1].led[7].dout: length 18.9
  Front w0.2: 51.96,14.27 51.96,14.15 51.96,14.08 51.96,14 51.95,13.91 51.95,13.82 51.95,13.73 51.95,13.63 51.94,13.52 51.94,13.41 51.92,13.19 51.92,13.07 51.91,12.96 51.89,12.72 51.88,12.6 51.87,12.49 51.86,12.37 51.84,12.26 51.83,12.15 51.81,12.04 51.8,11.94 51.78,11.84 51.76,11.75 51.76,11.66 51.76,11.56 51.76,11.45 51.76,11.34 51.76,11.23 51.75,11.12 51.75,11.01 51.74,10.89 51.73,10.77 51.72,10.54 51.71,10.42 51.7,10.31 51.69,10.19 51.67,10.08 51.66,9.97 51.65,9.87 51.64,9.77 51.63,9.67 51.61,9.58 51.61,9.5 51.59,9.42 51.58,9.35 51.58,9.29 51.57,9.23 51.56,9.19 51.56,9.15 51.55,9.12 51.55,9.1 51.13,6.3 51.11,6.18 51.11,6.06 51.11,5.94 51.11,5.82 51.13,5.71 51.15,5.59 51.17,5.48 51.21,5.37 51.25,5.27 51.29,5.16 51.34,5.06 51.39,4.97 51.46,4.87 51.52,4.78 51.59,4.69 51.67,4.61 51.75,4.53 51.83,4.46 51.92,4.39 52.01,4.33 52.11,4.27 52.21,4.21 52.31,4.16 52.41,4.12 52.52,4.09 52.64,4.06 52.75,4.03 52.87,4.01 52.99,4 53.11,4 55.83,4 55.86,4 55.91,4 56.01,4 56.08,4 56.15,4.01 56.23,4.01 56.31,4.01 56.39,4.01 56.49,4.02 56.58,4.02 56.68,4.03 56.78,4.03 56.88,4.04 57.09,4.06 57.31,4.08 57.41,4.09 57.52,4.1 57.62,4.12 57.72,4.13 57.82,4.15 57.92,4.16 58.01,4.18 58.1,4.2 58.27,4.25 58.36,4.27 58.45,4.29 58.55,4.3 58.65,4.32 58.75,4.34 58.85,4.35 58.96,4.36 59.06,4.37 59.17,4.38 59.28,4.39 59.49,4.41 59.59,4.42 59.69,4.42 59.79,4.43 59.88,4.43 59.97,4.44 60.06,4.44 60.14,4.44 60.22,4.44 60.29,4.45 60.41,4.45 60.46,4.45